# Altium PCB Mixed Signal Board Project.PcbDoc (part 3 of 3)
Units mm, origin at the board's own origin, x right, y up, seen from the top; angles counter-clockwise.
Board outline 80.01 x 80.01 mm, 4 copper layers (Top Layer1, Layer 1, Layer 2, Bottom Layer), stack 1.371 mm thick; 190 components, 145 nets, 742 pads, 573 vias.
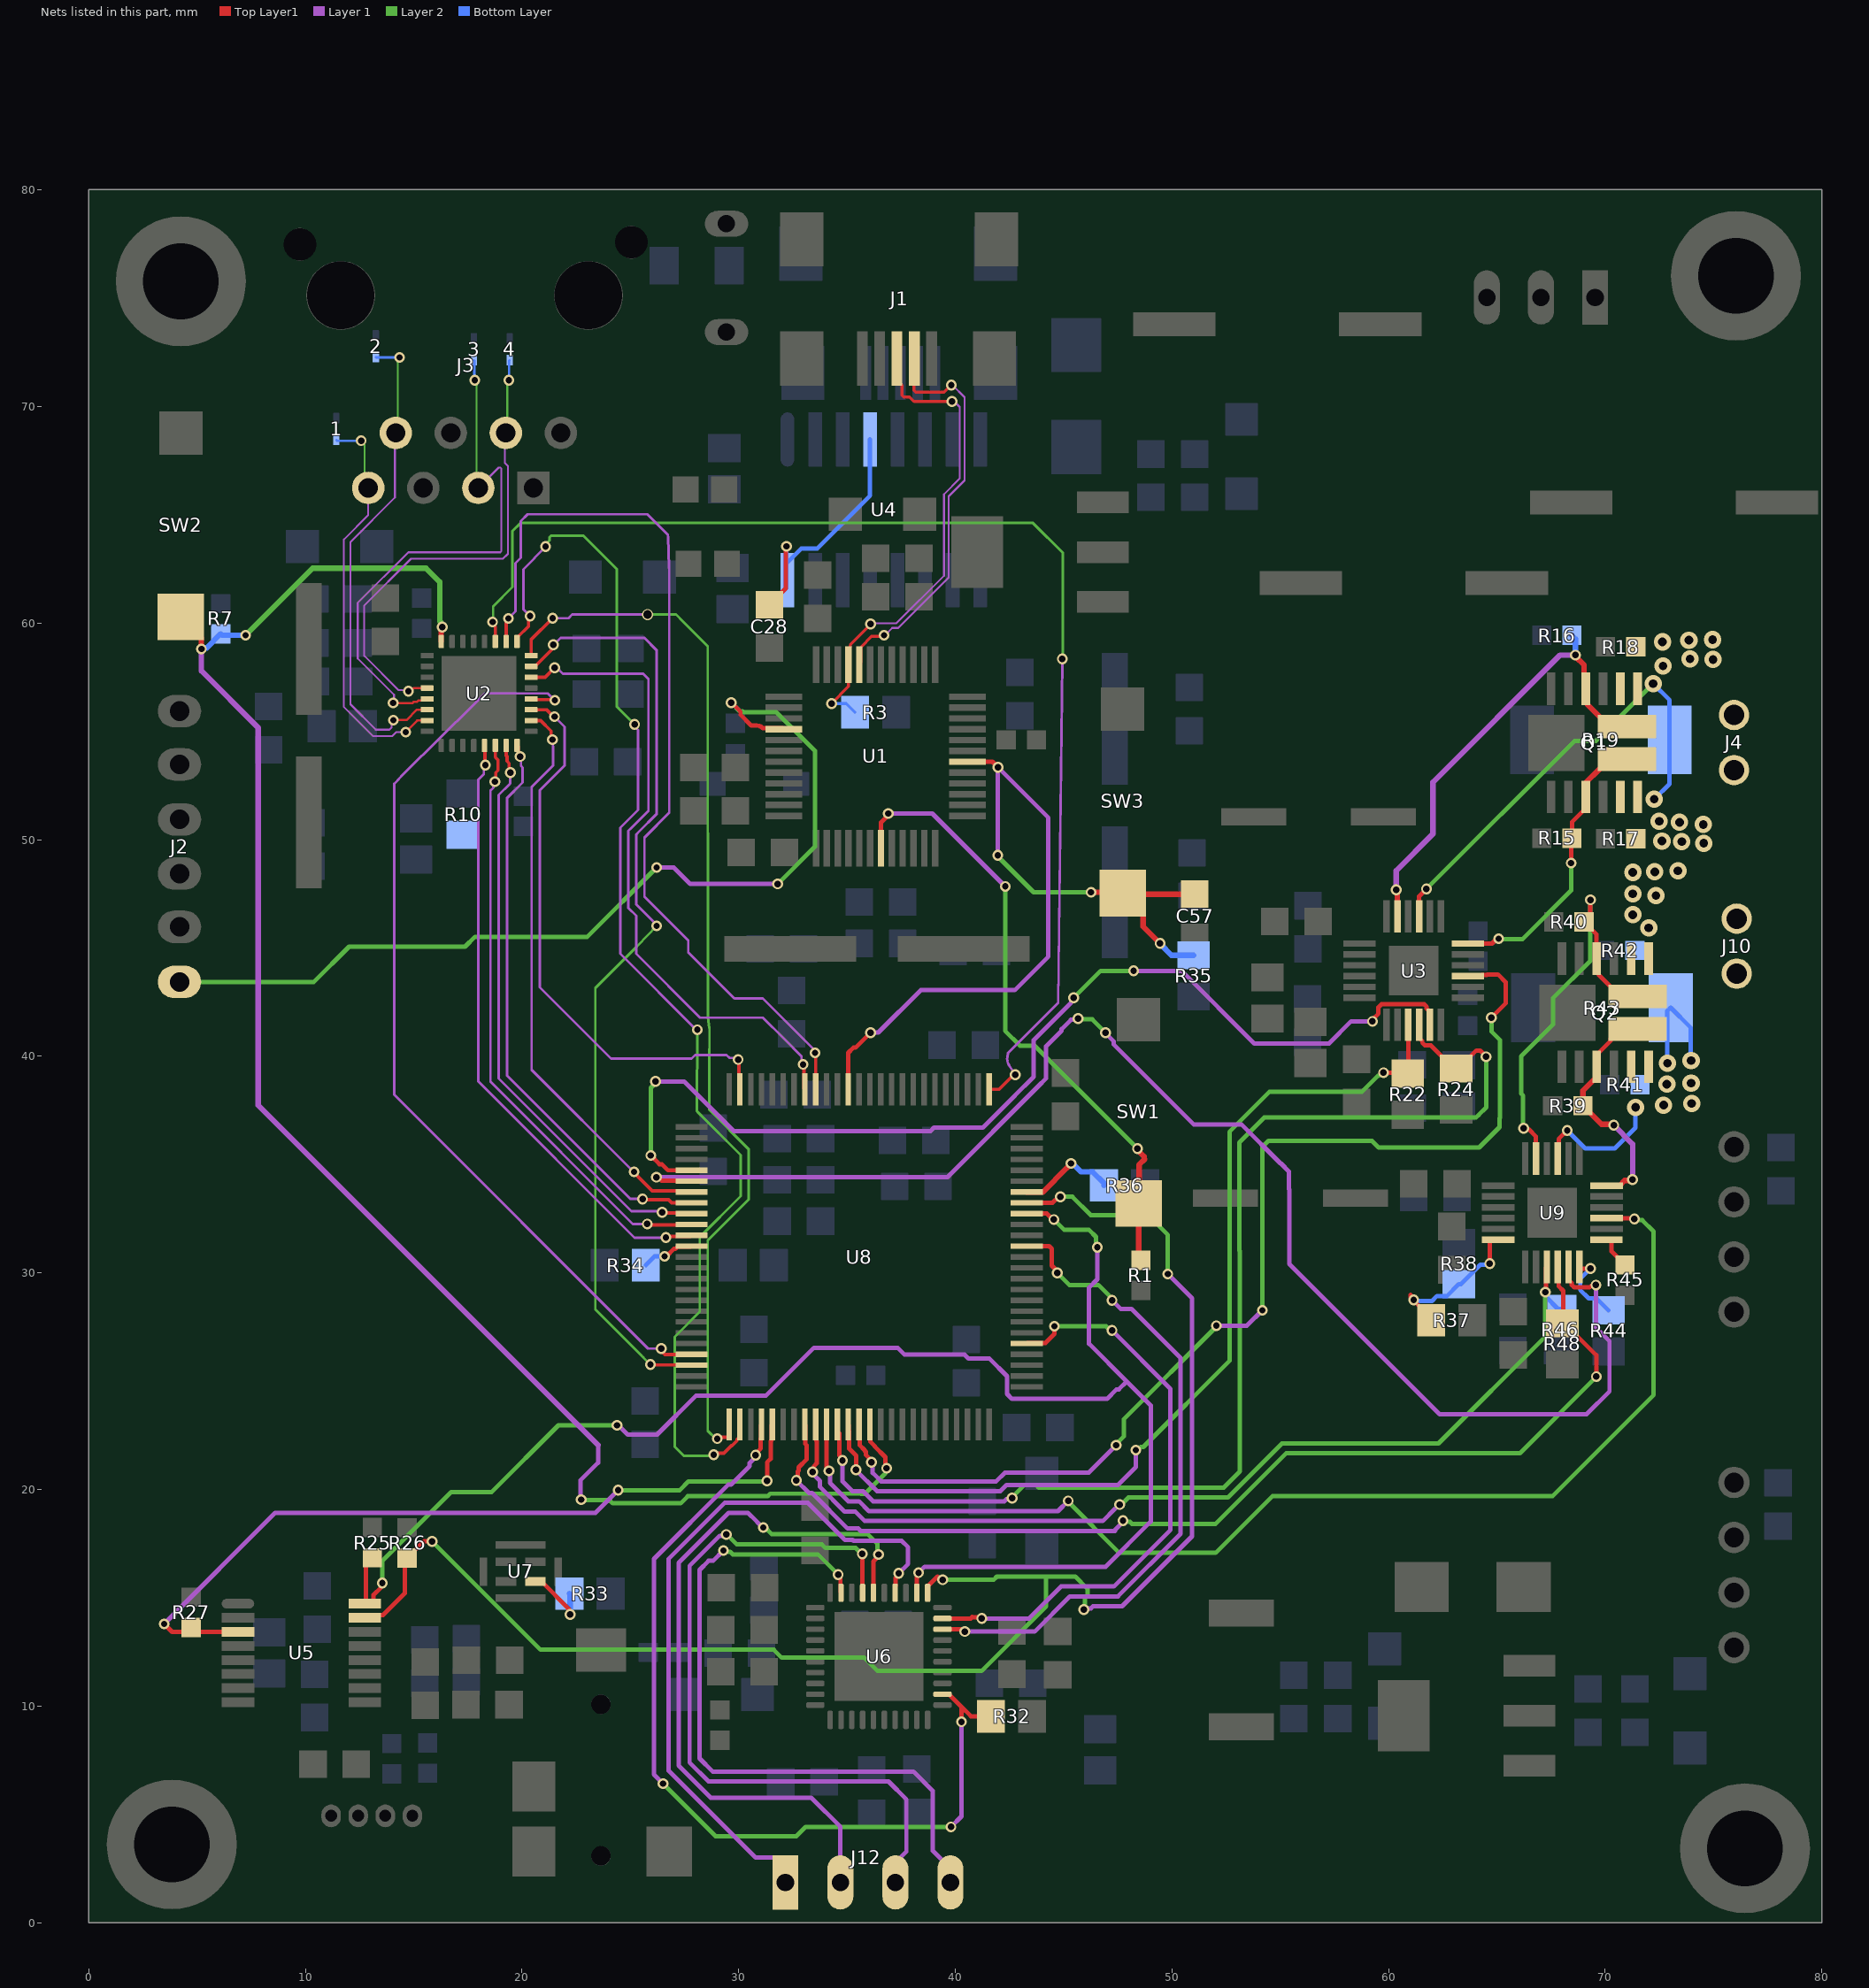
[diagram p5: the nets of this part, all layers, seen from the top]

## Via types
v1: diameter 0.5, hole 0.3, Top Layer1 to Bottom Layer, tented both sides, 434 vias
v2: diameter 0.8, hole 0.4, Top Layer1 to Bottom Layer, tented both sides, 124 vias
v3: diameter 0.5, hole 0.4, Top Layer1 to Bottom Layer, tented both sides, 5 vias
v4: diameter 0.8, hole 0.5, Top Layer1 to Bottom Layer, tented both sides, 5 vias
v5: diameter 0.4, hole 0.3, Top Layer1 to Bottom Layer, tented both sides, 3 vias
v6: diameter 0.5/0.5/0.5/0.5 (per signal layer), hole 0.3, Top Layer1 to Bottom Layer, tented both sides, 2 vias

## Nets (pads, with @x,y where several pads share a name; then routed paths per layer and width w, separated by ;. In a path a pad name is that pad's centre, name@x,y a point inside that pad or via, vN(x,y) a via of type N, cw(c..) or ccw(c..) an arc to the next point about the centre after c; other vN are vias at no path point) (continued)
NetR33_1: R33.1 U7.2 | length 3.4
  Top Layer1 w0.203: U7.2@20.614,15.755 20.889,15.755 22.168,14.476 22.168,14.281 v1(22.225,14.224)
  Bottom Layer w0.203: v1@22.145,14.224 v1(22.225,14.224)
  Bottom Layer w0.254: R33.1@22.189,15.189 22.225,15.154 v1(22.225,14.224)
NetR34_2: R34.2 U8.37 | length 2.5
  Top Layer1 w0.203: v1(26.58,30.759) 26.661,30.759 27.005,31.104 27.081,31.104 27.186,31.209 27.797,31.209 U8.37@27.822,31.234
  Bottom Layer w0.203: R34.2@25.715,30.353 26.121,30.759 v1(26.58,30.759)
NetR36_1: R36.1 U8.94 | length 4.3
  Top Layer1 w0.254: U8.94@43.298,33.734 44.046,33.734 45.161,34.849
  Bottom Layer w0.254: v1(45.343,35.052) 45.41,35.052 45.803,34.659 46.34,34.659 46.863,34.136 R36.1@46.863,34.036
NetR37_2: R37.2 R38.1 U9.6 | length 7.3
  Top Layer1 w0.203: 61.011,28.981 61.011,28.868 61.966,27.913 R37.2@61.966,27.813 ; v1(64.668,30.429) 64.668,31.477 64.717,31.525 U9.6@65.057,31.525
  Bottom Layer w0.203: v1(61.163,28.753) 61.214,28.702 62.006,28.702 62.234,28.931 62.698,28.931 R38.1@63.246,29.479 63.346,29.479 64.239,30.372 64.612,30.372 v1(64.668,30.429)
NetR44_2: R44.2 U9.12 | length 3.4
  Top Layer1 w0.203: U9.12@68.855,30.227 68.855,30.198 v1(69.323,30.198)
  Bottom Layer w0.203: v1(69.323,30.198) 68.85,29.725 68.85,29.205 69.205,28.85 69.213,28.85 69.249,28.814 69.606,28.814 R44.2@70.155,28.265
NetR45_2: R45.2 U9.13 | length 1.4
  Top Layer1 w0.203: U9.13@70.287,31.477 70.287,30.996 R45.2@70.917,30.366
nFAULT: R22.1 U3.9 U8.62 | length 45.1
  Top Layer1 w0.203: U8.62@35.06,22.996 35.085,22.971 35.085,22.717 35.106,22.696 35.106,21.881 35.397,21.59 35.397,21.57 35.425,21.542 35.425,20.923 v1(35.411,20.909) ; v1(59.766,39.243) 60.896,39.243 60.91,39.229 U3.9@60.91,41.453
  Layer 1 w0.203: v1(35.411,20.909) 35.411,20.892 36.39,19.914 42.076,19.914 42.373,20.21 47.515,20.21 48.057,20.752 48.336,21.031 v1(48.336,21.815)
  Layer 2 w0.203: v1(48.336,21.815) 48.417,21.815 48.562,21.96 48.681,21.96 52.654,25.933 52.654,36.511 54.497,38.354 58.764,38.354 59.501,39.091 59.533,39.091 59.686,39.243 v1(59.766,39.243)
nFAULT_2: R46.1 U8.59 U9.9 | length 44
  Top Layer1 w0.203: 33.476,21.076 33.604,21.204 33.604,22.221 33.585,22.24 33.585,22.364 U8.59@33.56,22.39 ; v1(67.235,29.105) 67.271,29.141 67.271,30.239 U9.9@67.307,30.275
  Layer 1 w0.203: v1(33.419,20.809) 33.419,20.729 33.758,20.39 33.758,20.113 34.897,18.974 35.39,18.974 35.822,18.542 46.812,18.542 47.39,19.12
  Layer 2 w0.203: v1(47.584,19.3) 47.664,19.3 47.99,19.626 52.582,19.626 55.079,22.123 62.306,22.123 67.235,27.052 v1(67.235,29.105)
  Bottom Layer w0.203: v1(67.235,29.105) 67.271,29.068 67.271,28.88 67.82,28.331 R46.1@67.92,28.331
"NJTRST F103": J2.1 U1.40 | length 44.8
  Top Layer1 w0.203: v1(29.654,56.32) 29.675,56.32 30.085,55.91 30.085,55.767 30.582,55.27 30.834,55.27 30.843,55.261 30.952,55.261 30.981,55.232 31.019,55.232 31.11,55.141 32.041,55.141 U1.40@32.084,55.098
  Layer 1 w0.203: v1(26.217,48.717) 27.007,48.717 27.769,47.955 v1(31.801,47.955)
  Layer 2 w0.203: J2.1@4.191,43.434 10.394,43.434 12.02,45.06 17.374,45.06 17.831,45.517 23.016,45.517 v1(26.217,48.717) ; v1(29.654,56.32) 30.052,55.922 30.184,55.922 30.226,55.88 31.75,55.88 33.528,54.102 33.528,49.682 v1(31.801,47.955)
NRST: R1.1 SW1.2 U1.7 | length 28.4
  Top Layer1 w0.203: U1.7@36.572,49.61 36.572,50.792 36.906,51.126 v1(36.906,51.206)
  Top Layer1 w0.254: v1(48.412,35.738) 48.412,35.671 48.717,35.366 ; SW1.2@48.463,33.198 48.463,30.683 R1.1@48.565,30.582 ; SW1.2@48.489,33.63 48.489,34.993 48.743,35.247
  Layer 1 w0.203: v1(36.906,51.206) 38.938,51.206 v1@42.291,47.854
  Layer 2 w0.203: v1(42.311,47.841) 42.303,47.833 42.303,41.168 42.99,40.482 43.669,40.482 v1(48.412,35.738)
NTRST_F407: C57.2 R35.1 SW3.2 U1.18 U8.14 | length 42.7
  Top Layer1 w0.203: U8.14@35.06,38.472 35.06,40.159 35.295,40.395 35.389,40.395 v1(36.085,41.091) ; U1.18@40.56,53.598 40.564,53.594 41.715,53.594 v1(41.969,53.34)
  Top Layer1 w0.254: v1(46.267,47.569) 47.68,47.569 47.685,47.574 SW3.2@47.777,47.482 ; v1(49.454,45.212) 48.675,45.991 48.675,46.584 SW3.2@47.777,47.482 ; C57.2@51.054,47.482 SW3.2@47.777,47.482
  Layer 1 w0.203: v1(36.085,41.091) 36.091,41.097 36.449,41.097 38.405,43.053 42.748,43.053 44.298,44.602 44.298,51.011 v1(41.969,53.34) 41.961,53.332 v1(41.961,49.276)
  Layer 2 w0.203: v1(41.961,49.276) 41.961,49.225 43.617,47.569 v1(46.267,47.569) ; v1@41.969,53.26 v1(41.969,53.34)
  Bottom Layer w0.254: v1@49.479,45.161 49.977,44.663 R35.1@51.003,44.663
OUTA+: J12.1 U6.4 | length 33
  Top Layer1 w0.203: U6.4@37.224,15.229 37.224,15.524 37.248,15.547 37.248,15.908 37.389,16.049 v1(37.389,16.129)
  Layer 1 w0.203: J12.1@32.156,1.854 32.156,2.504 31.658,3.003 30.779,3.003 26.772,7.01 26.772,16.799 29.353,19.38 33.198,19.38 34.905,17.673 35.261,17.673 35.306,17.628 37.524,17.628 37.821,17.331 37.821,16.561 v1(37.389,16.129)
OUTA-: J12.2 U6.6 | length 33.7
  Top Layer1 w0.203: U6.6@36.224,15.229 36.224,16.677 36.461,16.914 v1(36.461,16.994)
  Layer 1 w0.203: v1(31.138,18.24) 31.107,18.24 30.57,18.777 30.568,18.777 30.422,18.923 29.542,18.923 27.229,16.609 27.229,7.252 28.715,5.766 33.35,5.766 34.696,4.42 J12.2@34.696,1.854
  Layer 2 w0.203: v1(31.138,18.24) 31.218,18.24 31.518,17.94 35.951,17.94 36.413,17.479 36.413,17.043 v1(36.461,16.994)
OUTB+: J12.3 U6.7 | length 34.6
  Top Layer1 w0.203: v1(35.708,17.022) 35.72,17.01 35.72,15.233 U6.7@35.724,15.229
  Layer 1 w0.203: v1(29.431,17.919) 29.374,17.863 29.129,17.863 27.737,16.471 27.737,7.39 28.61,6.517 36.917,6.517 37.744,5.69 37.744,3.276 37.236,2.768 J12.3@37.236,1.854
  Layer 2 w0.203: v1(29.431,17.919) 29.458,17.919 29.92,17.458 33.846,17.458 34.006,17.297 35.406,17.297 35.681,17.022 v1(35.708,17.022)
OUTB-: J12.4 U6.9 | length 32.8
  Top Layer1 w0.203: v1(34.593,16.064) 34.593,15.983 34.701,15.876 34.701,15.252 U6.9@34.724,15.229
  Layer 1 w0.203: v1(29.299,17.177) 28.823,16.701 28.613,16.701 28.194,16.281 28.194,7.58 28.799,6.974 38.068,6.974 38.961,6.081 38.961,3.319 39.776,2.504 J12.4@39.776,1.854
  Layer 2 w0.203: v1(29.299,17.177) 29.356,17.12 29.611,17.12 29.731,17.001 33.656,17.001 v1(34.593,16.064)
PH_MOT_2: U8.60 U9.15 | length 55.5
  Top Layer1 w0.203: U8.60@34.06,22.996 34.061,22.995 34.061,21.048 34.171,20.937 v1(34.171,20.857) ; U9.15@70.061,32.525 71.31,32.525 v1(71.349,32.487)
  Layer 1 w0.203: v1(34.171,20.857) 34.215,20.813 34.215,20.302 35.061,19.456 35.554,19.456 36.011,18.999 44.743,18.999 v1(45.214,19.471)
  Layer 2 w0.203: v1(45.214,19.471) 45.214,19.427 47.572,17.069 52.019,17.069 54.635,19.685 67.564,19.685 72.238,24.359 72.238,31.902 71.71,32.43 71.405,32.43 v1(71.349,32.487)
PH_MOT_DRI_1: U3.15 U8.63 | length 52.6
  Top Layer1 w0.203: U8.63@35.56,22.996 35.585,22.971 35.585,22.048 35.817,21.816 35.817,21.796 35.882,21.731 35.882,21.585 36.13,21.337 v1(36.13,21.257) ; U3.15@63.664,43.703 64.264,43.703 64.312,43.751 64.521,43.751 64.548,43.779 65.05,43.779 65.405,43.424 65.405,42.439 v1(64.749,41.783)
  Layer 1 w0.203: v1(36.13,21.257) 36.187,21.2 36.187,20.763 36.579,20.371 41.887,20.371 42.293,20.777 46.163,20.777 v1(47.425,22.039) ; v1(52.049,27.559) 53.463,27.559 v1(54.174,28.27)
  Layer 2 w0.203: v1(47.425,22.039) 47.425,22.092 47.791,22.458 47.791,23.254 52.049,27.512 v1(52.049,27.559) ; v1(54.174,28.27) 54.174,35.81 54.458,36.093 59.233,36.093 59.538,35.789 64.186,35.789 65.126,36.728 65.126,37.137 65.151,37.163 65.151,40.742 64.749,41.144 v1(64.749,41.783)
PHY_RST: R7.1 SW2.2 U2.32 U8.64 | length 82
  Top Layer1 w0.203: U8.64@36.06,22.996 36.085,22.971 36.085,22.194 36.274,22.005 36.274,21.986 36.773,21.487 36.773,21.033 v1(36.83,20.976)
  Top Layer1 w0.254: SW2.2@4.254,60.279 5.202,59.331 v1(5.202,58.806) ; U2.32@16.271,59.149 16.273,59.151 16.273,59.77 v1(16.317,59.813)
  Layer 1 w0.203: v1(22.736,19.529) 22.71,19.554 22.71,20.431 23.512,21.233 23.512,22.047
  Layer 1 w0.254: v1(5.202,58.806) 5.202,57.79 7.823,55.169 7.823,37.736 23.512,22.047
  Layer 2 w0.203: v1(22.736,19.529) 22.753,19.511 24.032,19.511 24.184,19.359 27.323,19.359 27.649,19.685 31.339,19.685 31.459,19.804 35.644,19.804 35.654,19.795 35.822,19.795 36.773,20.746 36.773,20.92 v1(36.83,20.976)
  Layer 2 w0.254: v1(7.239,59.436) 10.338,62.535 15.57,62.535 16.205,61.9 16.205,60.085 16.269,60.021 16.269,59.86 v1(16.317,59.813)
  Bottom Layer w0.254: v1(5.202,58.806) 5.249,58.853 5.45,58.853 R7.1@6.096,59.5 6.16,59.436 v1(7.239,59.436)
RD_N: 4.K J3.6 U2.4 | length 22.7
  Top Layer1 w0.104: v1(14.757,56.856) 14.833,56.932 14.94,56.932 15.007,56.999 U2.4@15.621,56.999
  Layer 1 w0.089: v1(14.757,56.856) 14.715,56.898 14.307,56.898 12.719,58.486 12.719,60.811 14.88,62.971 19.123,62.971 19.35,63.198 19.35,67.252 19.21,67.392 19.21,68.735 J3.6@19.254,68.779
  Layer 2 w0.089: J3.6@19.254,68.779 19.323,68.848 19.323,71.139 v1(19.392,71.208)
  Bottom Layer w0.104: v1(19.392,71.208) 19.411,71.227 19.411,72.119 4.K@19.431,72.139
RD_P: 3.K J3.5 U2.5 | length 25.9
  Top Layer1 w0.104: v1(14.051,56.313) 14.064,56.3 14.945,56.3 15.001,56.357 15.151,56.357 15.22,56.426 15.548,56.426 U2.5@15.621,56.499
  Layer 1 w0.089: v1(14.051,56.313) 14.096,56.358 14.096,56.687 12.421,58.363 12.421,60.935 14.756,63.27 18.999,63.27 19.051,63.322 19.051,67.129 18.999,67.181 18.926,67.181 J3.5@17.984,66.239
  Layer 2 w0.089: v1(17.819,71.208) 17.898,71.129 17.898,66.325 J3.5@17.984,66.239
  Bottom Layer w0.104: 3.K@17.78,72.139 17.8,72.119 17.8,71.227 v1(17.819,71.208)
RESET_ADC: R27.1 U5.3 U8.55 | length 36.8
  Top Layer1 w0.203: v1(3.48,13.792) 3.848,13.424 U5.3@6.89,13.424 ; v1(31.314,20.392) 31.314,21.249 31.479,21.414 31.479,22.221 31.535,22.277 31.535,22.971 U8.55@31.56,22.996
  Layer 1 w0.203: v1(3.48,13.792) 8.611,18.923 23.393,18.923 v1(24.435,19.964)
  Layer 2 w0.203: v1(24.435,19.964) 27.282,19.964 27.688,20.371 31.292,20.371 v1(31.314,20.392)
RESET_DAC: R32.1 U6.32 U8.54 | length 41.8
  Top Layer1 w0.203: v1(30.786,21.578) 30.786,21.658 31.021,21.893 31.021,22.347 31.035,22.36 31.035,22.971 U8.54@31.06,22.996 ; U6.32@39.409,10.544 39.704,10.544 40.284,9.964 ; v1(40.284,9.271) 40.284,9.964 ; R32.1@41.646,9.525 40.723,9.525 40.284,9.964
  Layer 1 w0.203: v1(26.508,6.417) 26.089,6.836 26.089,16.793 29.515,20.218 29.647,20.218 30.387,20.958 30.512,21.083 30.512,21.223 30.786,21.498 v1(30.786,21.578) ; v1(39.802,4.42) 40.284,4.902 v1(40.284,9.271)
  Layer 2 w0.203: v1(26.508,6.417) 28.938,3.988 32.664,3.988 33.096,4.42 v1(39.802,4.42)
RX_CLK: U2.19 U8.24 | length 26.5
  Top Layer1 w0.156: U2.19@20.421,55.999 21.129,55.999 21.448,55.68 v1(21.5,55.68) ; v1(29.978,39.847) 30.019,39.806 30.019,38.513 U8.24@30.06,38.472
  Layer 1 w0.117: v1(21.5,55.68) 21.971,55.209 21.971,55.118 21.971,55.112 ccw(c22.946,55.01) 21.967,55.049 21.967,55.048 21.971,53.639 21.971,53.57 21.971,53.522 21.971,53.424 21.937,53.39 20.828,52.281 20.828,43.18 24.113,39.895 27.832,39.895 27.996,40.06 29.443,40.06 29.582,39.92 29.905,39.92 v1(29.978,39.847)
RX_D0: U2.16 U8.33 | length 26.6
  Top Layer1 w0.156: U2.16@19.771,54.349 19.818,54.302 19.818,54.029 19.917,53.929 v1(19.917,53.836) ; v1(25.565,33.403) 25.596,33.372 26.764,33.372 26.903,33.234 U8.33@27.822,33.234
  Layer 1 w0.117: v1(19.917,53.836) 19.954,53.8 19.954,53.41 20.032,53.333 20.032,52.642 19.304,51.914 19.304,39.116 24.999,33.421 25.547,33.421 v1(25.565,33.403)
RX_D1: U2.15 U8.34 | length 27.2
  Top Layer1 w0.156: U2.15@19.271,54.349 19.271,53.888 19.306,53.853 19.306,53.624 19.403,53.527 19.403,53.165 v1(19.469,53.1) ; v1(26.473,32.79) 26.501,32.762 27.794,32.762 U8.34@27.822,32.734
  Layer 1 w0.117: v1(19.469,53.1) 19.452,53.083 19.452,52.588 18.923,52.058 18.923,38.972 25.055,32.84 26.423,32.84 v1(26.473,32.79)
RX_D2: U2.14 U8.35 | length 27.8
  Top Layer1 w0.156: v1(18.749,52.68) 18.79,52.721 18.79,53.095 18.896,53.2 18.896,53.683 18.771,53.807 U2.14@18.771,54.349 ; v1(25.781,32.258) 25.831,32.208 27.796,32.208 U8.35@27.822,32.234
  Layer 1 w0.117: v1(18.749,52.68) 18.676,52.607 18.676,52.397 18.543,52.264 18.543,38.826 25.111,32.258 v1(25.781,32.258)
RX_D3: U2.13 U8.36 | length 28.5
  Top Layer1 w0.156: U2.13@18.271,54.349 18.292,54.328 18.292,53.463 v1(18.313,53.442) ; v1(26.646,31.626) 26.705,31.685 27.773,31.685 U8.36@27.822,31.734
  Layer 1 w0.117: v1(18.313,53.442) 18.24,53.368 18.24,53.03 17.981,52.77 17.981,38.839 25.197,31.623 26.643,31.623 v1(26.646,31.626)
RX_DV: U2.18 U8.32 | length 26.9
  Top Layer1 w0.156: U2.18@20.421,55.499 20.427,55.493 20.864,55.493 21.343,55.014 21.343,54.679 v1(21.405,54.617) ; v1(25.171,34.66) 25.171,34.62 26.009,33.783 27.773,33.783 U8.32@27.822,33.734
  Layer 1 w0.117: v1(21.405,54.617) 21.429,54.229 21.429,53.407 20.447,52.426 20.447,39.37 25.157,34.66 v1(25.171,34.66)
RX_ER: U2.20 U8.47 | length 43.4
  Top Layer1 w0.156: U2.20@20.421,56.499 20.454,56.466 21.485,56.466 v1(21.517,56.433) ; v1@26.416,26.416 26.598,26.234 U8.47@27.822,26.234
  Layer 1 w0.117: v1(21.517,56.433) 21.507,56.433 21.189,56.752 18.289,56.752 18.22,56.683 17.758,56.221 14.613,53.116 14.611,53.114 14.61,53.113 14.564,53.064 14.542,53.04 14.537,53.035 14.533,53.03 14.501,52.996 14.165,52.636 14.163,52.635 14.097,52.564 14.097,38.227 25.819,26.505 v1(26.425,26.505)
SCL: R25.1 U5.16 U6.2 U8.92 | length 75.9
  Top Layer1 w0.203: R25.1@13.096,16.844 12.791,16.539 12.791,14.775 U5.16@12.74,14.724 13.027,14.724 13.151,14.847 13.151,15.135 v1@13.496,15.48 ; U6.2@38.224,15.229 38.224,16.076 v1(38.303,16.154) ; U8.92@43.298,32.734 44.228,32.734 v1@44.374,32.588
  Layer 1 w0.203: v1@13.513,15.672 13.553,15.632 v1(13.553,15.675) ; v1(24.384,22.962) 24.449,22.962 24.88,22.53 26.238,22.53 28.042,24.333 31.267,24.333 33.477,26.543 37.338,26.543 37.661,26.22 40.43,26.22 40.615,26.035 41.58,26.035 42.389,25.226 42.389,24.409 42.617,24.181 47.004,24.181 47.441,24.618 47.554,24.618 47.917,24.981 ; v1(38.303,16.154) 38.583,16.434 46.942,16.434 49.022,18.513 49.022,23.876 47.917,24.981 ; v1(44.552,32.461) v1@44.632,32.461 ; v1(46.554,31.181) 46.554,29.7 46.173,29.319 46.173,26.725 47.917,24.981
  Layer 2 w0.203: v1(13.553,15.675) 13.553,16.702 16.736,19.885 18.605,19.885 21.681,22.962 v1(24.384,22.962) ; v1(44.552,32.461) 45.034,31.979 46.177,31.979 46.497,31.658 46.497,31.238 v1(46.554,31.181)
SCLK: U6.38 U8.89 | length 30.8
  Top Layer1 w0.203: U6.38@39.409,13.544 40.251,13.544 40.356,13.438 v1(40.437,13.438) ; U8.89@43.298,31.234 44.331,31.234 44.45,31.115 44.45,30.332 44.704,30.078 v1(44.704,29.997)
  Layer 1 w0.203: v1(40.437,13.438) 43.664,13.438 45.288,15.062 47.51,15.062 50.394,17.945 50.394,18.685 50.394,26.074 48.128,28.339 47.632,28.339 47.244,28.727 v1(47.236,28.727)
  Layer 2 w0.203: v1(44.704,29.997) 45.26,29.442 46.602,29.442 47.236,28.808 v1(47.236,28.727)
SDA: R26.1 U5.15 U6.1 U8.93 | length 76.3
  Top Layer1 w0.203: U5.15@12.74,14.074 12.863,14.197 13.588,14.197 14.594,15.204 14.594,16.729 R26.1@14.696,16.831 15.467,17.602 v1(15.85,17.602) ; U6.1@38.724,15.229 38.724,15.524 39.177,15.977 39.192,15.977 39.34,15.828 v1(39.421,15.828) ; U8.93@43.298,33.234 44.489,33.234 44.767,33.512 v1(44.848,33.512)
  Layer 1 w0.203: v1(45.933,14.457) 45.99,14.513 46.267,14.513 46.358,14.605 47.7,14.605 50.931,17.836 50.931,28.825 v1(49.809,29.947)
  Layer 2 w0.203: v1(15.85,17.602) 20.853,12.598 31.623,12.598 31.991,12.231 35.803,12.231 36.412,11.621 41.212,11.621 44.196,14.605 44.196,15.977 ; v1(39.421,15.828) 41.774,15.828 41.923,15.977 44.196,15.977 ; v1(44.848,33.512) 45.405,33.512 46.249,32.668 48.891,32.668 49.809,31.75 v1(49.809,29.947) ; v1(45.933,14.457) 45.99,14.513 45.99,15.002 46.101,15.113 46.101,15.416 45.541,15.977 44.196,15.977
SDIN: U6.39 U8.80 | length 27.2
  Top Layer1 w0.203: U6.39@39.409,14.044 40.713,14.044 40.782,14.112 40.794,14.1 41.165,14.1 v1(41.222,14.044) ; U8.80@43.298,26.734 43.323,26.759 44.158,26.759 44.577,27.178 v1(44.577,27.534)
  Layer 1 w0.203: v1(41.222,14.044) 43.406,14.044 44.882,15.519 47.321,15.519 49.936,18.135 49.936,18.874 49.936,24.637 v1(47.236,27.338)
  Layer 2 w0.203: v1(44.577,27.534) 46.96,27.534 47.155,27.338 v1(47.236,27.338)
SH1: J4.1 Q1.3 Q1.13 R15.1 U3.18 | length 13.3
  Top Layer1 w0.203: U3.18@63.664,45.203 64.777,45.203 65.003,45.429 v1(65.083,45.429) ; v1(68.428,48.92) 68.428,50.025 R15.1@68.466,50.063 68.466,50.813 68.973,51.32 69.002,51.32 69.101,51.418 Q1.3@69.101,51.968
  Top Layer1 w0.254: Q1.3@69.101,52.618 69.752,53.27 70.201,53.718 Q1.13@71.001,53.718
  Top Layer1 w0.381: Q1.3@69.101,51.968 Q1.3@69.101,52.518
  Layer 2 w0.203: v1(65.083,45.429) 65.098,45.415 66.192,45.415 68.428,47.65 v1(68.428,48.92)
SH1_2: J10.1 Q2.3 Q2.13 R39.1 U9.18 | length 11.1
  Top Layer1 w0.203: Q2.3@69.602,39.512 69.602,40.062 70.254,40.713 70.254,40.813 70.702,41.262 Q2.13@71.502,41.262
  Top Layer1 w0.254: Q2.3@69.602,39.512 69.602,38.962 69.529,38.889 69.45,38.889 68.974,38.412 R39.1@68.974,37.719 69.832,36.86 70.348,36.86 v1(70.395,36.813) ; U9.18@70.061,34.025 70.661,34.025 70.896,34.26 71.217,34.26 v1(71.265,34.308)
  Layer 1 w0.254: v1(70.395,36.813) 71.265,35.944 v1(71.265,34.308)
SH2: J4.2 Q1.10 Q1.14 R16.1 U3.23 | length 21.7
  Top Layer1 w0.254: v1(60.353,47.68) 60.4,47.633 60.4,47.065 60.41,47.055 U3.23@60.41,46.453 ; v1(68.629,58.523) 68.629,58.457 69.028,58.058 69.028,57.041 69.174,56.895 69.174,56.245 69.778,55.641 70.201,55.218 Q1.14@71.001,55.218
  Layer 1 w0.254: v1(60.353,47.68) 60.353,48.567 62.052,50.267 62.052,52.654 67.921,58.523 v1(68.629,58.523)
  Bottom Layer w0.254: R16.1@68.466,59.436 68.629,59.273 v1(68.629,58.523)
SH2_2: J10.2 Q2.10 Q2.14 R40.1 U9.23 | length 19.7
  Top Layer1 w0.203: v1(66.239,36.676) 66.295,36.621 66.478,36.621 66.807,36.292 U9.23@66.807,35.275 ; v1(69.317,47.219) 69.317,46.495 R40.1@69.024,46.203 69.602,45.625 Q2.10@69.602,44.512 69.701,44.413 69.701,43.763 70.702,42.762 Q2.14@71.502,42.762
  Layer 2 w0.203: v1(66.239,36.676) 66.214,36.702 66.214,38.183 66.116,38.281 66.116,39.993 67.589,41.467 67.589,42.68 69.317,44.407 v1(69.317,47.219)
SNSOUT: R24.1 U3.10 U8.61 | length 56.6
  Top Layer1 w0.203: U8.61@34.56,22.996 34.56,22.683 34.643,22.6 34.643,21.567 34.791,21.419 v1(34.791,21.339) ; U3.10@61.41,41.453 61.41,40.853 61.558,40.705 61.558,40.619 61.676,40.501 61.949,40.501 63.019,39.431 63.219,39.431 64.055,40.267 64.223,40.267 64.5,39.99 v1(64.5,39.977)
  Layer 1 w0.203: v1(34.791,21.339) 34.791,20.373 35.251,19.914 35.743,19.914 36.2,19.456 42.265,19.456 42.357,19.548 42.567,19.548 v1(42.624,19.605)
  Layer 2 w0.203: v1(42.624,19.605) 42.624,19.637 43.197,20.21 43.736,20.21 43.863,20.083 52.392,20.083 53.137,20.828 53.137,30.998 53.111,31.024 53.111,36.017 54.26,37.166 64.034,37.166 64.153,37.285 64.516,37.648 64.516,39.961 v1(64.5,39.977)
SNSOUT_2: R48.1 U8.58 U9.10 | length 49.8
  Top Layer1 w0.203: v1(32.664,20.422) 32.721,20.478 32.721,20.827 32.771,20.877 32.771,21.018 33.147,21.394 33.147,22.032 33.085,22.094 33.085,22.971 U8.58@33.06,22.996 ; U9.10@67.807,30.275 67.85,30.232 67.85,29.381 68.063,29.168 68.063,27.713 R48.1@68.021,27.671 68.121,27.671 69.592,26.2 v1(69.592,25.211)
  Layer 1 w0.203: v1(32.664,20.422) 33.249,19.837 33.387,19.837 35.032,18.192 35.525,18.192 35.632,18.085 47.382,18.085 47.382,18.14 47.743,18.501 v1(47.743,18.563)
  Layer 2 w0.203: v1(47.743,18.563) 47.799,18.507 48.061,18.507 48.152,18.415 52.017,18.415 55.268,21.666 66.065,21.666 69.592,25.193 v1(69.592,25.211)
SO: U3.11 U8.30 | length 49.6
  Top Layer1 w0.203: v1(25.946,35.417) 26.344,35.019 26.453,35.019 26.737,34.734 U8.30@27.822,34.734 ; v1(59.256,41.611) 59.256,41.692 59.533,41.968 59.533,42.261 59.677,42.405 61.643,42.405 61.762,42.287 61.762,42.201 61.91,42.053 U3.11@61.91,41.453
  Layer 1 w0.203: v1(26.162,38.837) 27.483,38.837 29.769,36.551 38.862,36.551 39.014,36.703 41.275,36.703 42.728,38.156 42.728,38.16 43.623,39.054 43.623,40.751 45.353,42.481 45.353,42.504 45.466,42.617 v1(45.466,42.697) ; v1(48.235,43.942) 50.449,43.942 53.802,40.589 57.252,40.589 58.274,41.611 v1(59.256,41.611)
  Layer 2 w0.203: v1(25.946,35.417) 25.946,38.54 26.162,38.756 v1(26.162,38.837) ; v1(45.466,42.697) 46.711,43.942 v1(48.235,43.942)
SO_2: U8.31 U9.11 | length 66.5
  Top Layer1 w0.203: v1(26.202,34.413) 26.282,34.413 26.436,34.259 27.071,34.259 ; U9.11@68.307,30.275 68.307,29.675 68.455,29.527 68.455,29.442 68.573,29.324 69.278,29.324 v1@69.342,29.388
  Layer 1 w0.203: v1(26.202,34.413) 39.632,34.413 43.823,38.604 43.823,38.608 44.196,38.981 44.196,40.462 44.909,41.176 44.909,41.252 45.341,41.683 45.612,41.683 v1(45.669,41.74) ; v1(46.939,41.088) 46.939,41.063 47.319,40.683 47.319,40.54 51.003,36.855 53.206,36.855 55.013,35.048 55.031,35.048 55.404,34.675 55.404,33.87 55.419,33.855 55.419,30.408 62.357,23.47 69.139,23.47 70.198,24.528 70.198,26.846 69.571,27.473 v1(69.571,29.439)
  Layer 2 w0.203: v1(45.669,41.74) 45.708,41.702 46.326,41.702 v1(46.939,41.088)
SP: Q1.5 Q1.6 Q1.7 Q1.8 R17.1 R18.2 R19.1 U3.21 | length 21.8
  Top Layer1 w0.203: U3.21@61.41,46.453 61.41,47.389 v1(61.747,47.727) ; R17.1@71.349,49.975 R17.1@71.412,50.038
  Layer 2 w0.203: v1(61.747,47.727) 68.58,54.559 69.571,54.559 v2(72.212,57.201)
  Bottom Layer w0.203: v2(72.212,57.201) 72.974,56.439 R19.1@72.974,54.61 72.974,52.578 v2(72.263,51.867)
  other v2: 74.549,49.835 73.533,49.911 72.619,49.936 74.524,50.698 73.431,50.8 72.492,50.851 72.669,58.014 74.981,58.318 73.914,58.344 72.644,59.131 73.863,59.207 74.955,59.233
SP_2: Q2.5 Q2.6 Q2.7 Q2.8 R41.1 R42.2 R43.1 U9.21 | length 11.6
  Top Layer1 w0.203: U9.21@67.855,35.417 67.855,36.181 v1(68.25,36.576)
  Bottom Layer w0.203: v1(68.25,36.576) 69.088,35.738 70.434,35.738 71.399,36.703 v2(71.399,37.643) ; v2(72.873,39.675) 72.873,42.088 R43.1@73.025,42.24 73.939,41.326 73.939,39.827 v2(73.965,39.802)
  other v2: 72.695,37.744 73.99,37.821 72.847,38.71 73.965,38.76 72.009,45.923 71.272,46.533 72.339,47.422 71.272,47.498 71.272,48.489 72.288,48.514 73.355,48.565
TD_N: 2.K J3.2 U2.6 | length 22.6
  Top Layer1 w0.104: v1(14.06,55.513) 14.067,55.52 14.671,55.52 15.15,55.999 U2.6@15.621,55.999
  Layer 1 w0.089: v1(14.06,55.513) 13.981,55.434 13.981,55.179 13.876,55.073 13.253,55.073 12.078,56.248 12.078,63.741 14.13,65.794 14.13,68.735 J3.2@14.174,68.779
  Layer 2 w0.089: J3.2@14.174,68.779 14.272,68.877 14.272,72.184 v1(14.351,72.263)
  Bottom Layer w0.104: 2.K@13.254,72.274 13.265,72.263 v1(14.351,72.263)
TD_P: 1.K J3.1 U2.7 | length 18.8
  Top Layer1 w0.104: v1(14.631,54.965) 15.166,55.499 U2.7@15.621,55.499
  Layer 1 w0.089: J3.1@12.904,66.239 12.904,64.99 11.779,63.865 11.779,56.125 13.129,54.775 14,54.775 14.189,54.965 v1(14.631,54.965)
  Layer 2 w0.089: v1(12.575,68.42) 12.739,68.255 12.739,66.404 J3.1@12.904,66.239
  Bottom Layer w0.104: 1.K@11.43,68.456 11.463,68.423 12.586,68.423 12.584,68.42 v1(12.575,68.42)
TX_CLK: U2.22 U8.18 | length 30.2
  Top Layer1 w0.156: U2.22@20.421,57.499 21.064,57.499 v1(21.503,57.938) ; v1(32.978,39.621) 33.019,39.58 33.019,38.513 U8.18@33.06,38.472
  Layer 1 w0.117: v1(21.503,57.938) 21.607,57.938 21.887,57.658 25.595,57.658 25.836,57.417 25.836,51.329 25.029,50.522 24.911,50.404 24.911,46.844 25.273,46.482 25.273,44.729 28.219,41.783 31.115,41.783 32.051,40.847 32.905,39.993 32.905,39.694 v1(32.978,39.621)
TX_D0: U2.24 U8.51 | length 49.5
  Top Layer1 w0.156: U2.24@20.421,58.499 20.421,59.232 v1(21.412,60.223) ; v1(29.013,22.343) 29.106,22.343 29.174,22.411 29.511,22.411 29.511,22.947 U8.51@29.56,22.996
  Layer 1 w0.117: v1(21.412,60.223) 22.148,60.223 22.316,60.391 v3(25.796,60.391)
  Layer 2 w0.117: v3(25.796,60.391) 27.112,60.391 27.441,60.062 28.507,58.996 28.575,58.928 28.575,58.879 28.585,41.781 28.65,41.3 cw(c28.092,41.224) 28.655,41.222 28.647,39.5 ccw(c29.21,39.497) 28.647,39.498 28.644,37.621 28.644,37.523 30.47,35.697 30.47,33.391 28.575,31.496 28.575,22.708 28.94,22.343 v1(29.013,22.343)
TX_D1: U2.25 U8.52 | length 58.5
  Top Layer1 w0.156: U2.25@19.771,59.149 19.771,59.324 20.305,59.858 20.305,60.259 v1(20.371,60.325) v1@20.371,60.249 ; v1(28.852,21.606) 28.918,21.672 29.321,21.672 29.665,22.016 29.696,22.016 29.922,22.241 29.922,22.301 30.06,22.439 U8.52@30.06,22.996
  Layer 1 w0.117: v1(20.371,60.325) 20.066,60.63 20.066,62.484 20.574,62.992 20.574,63.014 v1(21.088,63.528) ; v1(25.197,55.321) 25.197,55.218 25.353,55.061 25.353,54.919 25.353,51.372 24.54,50.558 24.54,44.726 28.042,41.224 v1(28.092,41.224)
  Layer 2 w0.117: v1(21.088,63.528) 21.088,63.632 21.22,63.764 21.272,63.816 21.272,63.965 21.341,64.033 22.835,64.033 24.384,62.484 24.384,56.134 v1(25.197,55.321) ; v1(28.092,41.224) 28.067,37.562 28.067,37.465 28.101,37.431 30.099,35.433 30.099,33.545 28.204,31.65 28.204,28.204 27.051,27.051 27.051,21.971 27.471,21.551 28.797,21.551 v1(28.852,21.606)
TX_D2: U2.26 U8.17 | length 43.3
  Top Layer1 w0.156: U2.26@19.271,59.149 19.271,60.02 19.375,60.125 v1(19.375,60.216) ; v1(33.527,40.157) 33.56,40.124 U8.17@33.56,38.472
  Layer 1 w0.117: v1(19.375,60.216) 19.695,60.536 19.695,62.765 19.939,63.009 19.939,64.701 20.262,65.024 25.781,65.024 26.703,64.102 26.736,64.069 26.74,63.972 26.794,62.566 26.798,62.451 26.798,51.241 25.654,50.097 25.654,47.371 27.677,45.348 27.677,44.797 29.802,42.672 31.115,42.672 33.527,40.26 v1(33.527,40.157)
TX_D3: U2.27 U8.1 | length 58
  Top Layer1 w0.156: U2.27@18.771,59.149 18.771,59.824 ; U8.1@41.56,38.472 42.028,38.472 42.702,39.146 v1(42.772,39.146)
  Layer 1 w0.117: v1(42.772,39.146) 42.493,39.563 cw(c42.961,39.876) 42.404,39.959 42.432,40.146 44.751,42.465 44.939,58.228 v1(44.94,58.344)
  Layer 2 w0.117: v1(18.641,60.047) 18.67,60.076 18.67,60.33 18.669,60.331 18.669,60.771 19.558,61.66 19.558,64.245 19.931,64.618 43.586,64.618 44.958,63.246 44.958,58.362 v1(44.94,58.344)
TX_EN: U2.23 U8.48 | length 44.7
  Top Layer1 w0.156: U2.23@20.421,57.999 20.596,57.999 21.384,58.787 21.384,58.935 v1(21.45,59) ; v1(25.931,25.764) 25.946,25.749 27.807,25.749 U8.48@27.822,25.734
  Layer 1 w0.117: v1(21.45,59) 21.477,59 21.786,59.309 25.654,59.309 26.207,58.756 26.207,51.175 25.4,50.368 25.283,50.25 25.283,46.998 26.212,46.068 v1(26.212,46.017)
  Layer 2 w0.117: v1(25.931,25.764) 25.644,26.05 ; v1(26.212,46.017) 25.355,45.117 25.286,45.048 23.385,43.147 23.385,28.309 24.037,27.657 25.519,26.176 25.526,26.169 ; 25.526,26.169 cw(c25.227,25.752) 25.644,26.05 ; 25.526,26.169 cw(c25.227,25.752) 25.644,26.05
USBD_N: J1.2 U1.32 | length 19.1
  Top Layer1 w0.136: U1.32@35.572,58.086 35.654,58.168 35.654,58.905 36.134,59.385 36.659,59.385 v1(36.714,59.44) ; J1.2@38.108,72.212 38.085,72.189 38.085,70.745 38.165,70.666 39.475,70.666 39.793,70.984 v1(39.819,70.984)
  Layer 1 w0.092: v1(36.714,59.44) 36.759,59.44 37.09,59.771 37.368,59.771 39.695,62.098 39.695,65.854 40.429,66.588 40.429,70.426 39.871,70.984 v1(39.819,70.984)
USBD_P: J1.3 R3.1 U1.33 | length 22.8
  Top Layer1 w0.136: v1(34.29,56.286) 35.072,57.068 35.072,58.786 35.154,58.868 35.154,58.944 35.158,58.948 35.158,59.004 36.09,59.936 v1(36.09,59.955) ; J1.3@37.308,72.212 37.308,71.212 37.541,70.979 37.541,70.514 37.621,70.434 37.897,70.434 38.101,70.23 v1(39.847,70.23)
  Layer 1 w0.092: v1(36.09,59.955) 36.124,59.989 36.497,59.989 ; 36.497,59.99 37.277,59.99 39.476,62.189 39.476,65.945 40.21,66.679 40.21,69.977 39.956,70.23 v1(39.847,70.23)
  Bottom Layer w0.136: v1(34.29,56.286) 34.966,56.286 R3.1@35.372,55.88
VCC: C28.2 U4.4 U4.16 | length 12.3
  Top Layer1 w0.203: C28.2@31.42,60.842 32.182,61.605 v1@32.182,63.542
  Bottom Layer w0.203: U4.16@32.209,62.025 U4.16@32.209,62.757 ; v1(32.209,63.542) U4.16@32.209,62.757 ; U4.4@36.068,68.476 36.068,65.883 33.634,63.449 32.901,63.449 U4.16@32.209,62.757
VDDIO: R10.2
pads on no net: J1.1 J1.4 J3. J3.3 J3.4 J3.7 J3.8 J5.1 J5.4 J7. J7.4 J12. MH3.1 MH4.1 U1.2 U1.3 U1.4 U1.10 U1.11 U1.12 U1.13 U1.14 U1.15 U1.16 U1.17 U1.19 U1.21 U1.22 U1.28 U1.29 U1.30 U1.31 U1.41 U1.42 U1.43 U1.45 U1.46 U2.30 U2.31 U4.7 U4.8 U4.9 U4.10 U4.11 U4.12 U4.13 U4.15 U5.6 U5.7 U5.8 U5.9 U6.20 U6.21 U6.22 U6.23 U6.24 U6.25 U6.26 U6.29 U6.30 U6.36 U8.2 U8.3 U8.4 U8.5 U8.7 U8.8 U8.9 U8.15 U8.38 U8.39 U8.40 U8.41 U8.42 U8.43 U8.44 U8.46 U8.77 U8.81 U8.82 U8.83 U8.84 U8.85 U8.86 U8.87 U8.88 U8.91 U8.95 U8.96 U8.97 U8.98
copper on no net:
  other v1: 50.8,38.887
  other v5: 16.104,40.437

## Polygon pours and split planes (outlines as drawn)
no net on Bottom Layer "NONET_L04_P094" (solid, pour order 94): 23.749,59.614 23.749,57.959 23.811,57.897 23.784,57.87 22.141,57.87 22.141,59.606 22.149,59.614
no net on Bottom Layer "NONET_L04_P093" (solid, pour order 93): 22.149,59.614 23.749,59.614 23.749,52.921 23.718,52.89 23.446,53.162 22.225,53.162 22.225,58.496 22.86,59.131 22.86,59.258
no net on Bottom Layer "NONET_L04_P092" (solid, pour order 92): 22.149,59.614 23.749,59.614 23.749,52.921 23.687,52.859 22.141,52.859 22.141,59.606
no net on Bottom Layer "NONET_L04_P091" (solid, pour order 91): 22.149,59.614 23.749,59.614 23.749,52.921 23.687,52.859 22.141,52.859 22.141,59.606
no net on Bottom Layer "NONET_L04_P090" (solid, pour order 90): 22.149,59.614 23.749,59.614 23.749,52.921 23.811,52.859 22.141,52.859 22.141,59.606
no net on Bottom Layer "NONET_L04_P089" (solid, pour order 89): 71.12,48.857 71.144,48.881 73.598,48.881 73.598,38.287 74.306,37.578 74.117,37.389 71.145,37.389 71.145,39.573 72.168,40.596 72.168,43.669 71.705,44.132 71.705,45.767 70.749,46.722 70.749,48.89
NetC21_2 on Bottom Layer "NETC21_2_L04_P009" (solid, remove dead copper, pour order 9): 24.384,77.953 27.28,77.953 27.28,74.803 27.838,74.244 30.48,74.244 30.48,72.492 30.505,72.466 30.48,72.441 26.67,72.441 24.384,74.727
EARTH on Bottom Layer "Bottom Layer-EARTH" (solid, pour order 10): 0.138,71.145 0.138,79.705 28.243,79.705 28.243,79.729 28.321,79.807 80.01,79.807 80.01,72.517 79.985,72.492 73.736,72.492 69.24,76.98 69.24,75.057 67.767,73.584 66.116,73.584 66.116,78.334 30.759,78.334 30.759,75.49 28.243,75.49 28.243,78.105 11.633,78.105 4.674,71.145
SP on Bottom Layer "SP_L04_P068" (solid, pour order 68): 75.438,59.665 75.489,59.614 75.438,59.563 75.438,49.301 71.069,49.301 70.891,49.479 70.891,50.749 70.485,51.156 70.485,57.785 70.942,58.242 70.942,59.639 71.247,59.639 71.666,59.665
NetC58_1 on Bottom Layer "NETC58_1_L04_P015" (solid, pour order 15): 47.066,48.184 51.714,48.184 51.714,46.812 47.066,46.812
+1V8 on Bottom Layer "+1V8_L04_P020" (solid, pour order 20): 45.695,11.836 45.695,8.176 47.535,8.176 47.535,12.207 45.699,12.207 45.674,12.182
NetC91_2 on Bottom Layer "NETC91_2_L04_P021" (solid, pour order 21): 72.109,10.044 68.48,10.044 67.437,11.087 67.437,12.446 67.437,16.485 67.64,16.688 72.034,16.688 72.034,10.401 72.109,10.326
+1V8 on Bottom Layer "+1V8_L04_P026" (solid, pour order 26): 67.691,9.703 66.091,11.303 60.808,11.303 59.792,10.287 59.665,10.262 54.661,10.262 54.661,7.087 67.691,7.087
+3V3 on Bottom Layer "Bottom Layer-+3V3" (solid, pour order 87): 40.058,16.443 44.806,16.443 44.806,16.739 44.856,16.739 44.856,18.161 44.704,18.161 36.952,18.161 36.952,16.739 40.058,16.739
+3V3 on Bottom Layer "+3V3_L04_P070" (solid, pour order 70): 18.059,13.691 18.059,12.471 14.808,12.471 14.808,13.691
+3V3 on Bottom Layer "+3V3_L04_P083" (solid, pour order 83): 11.267,14.177 7.762,14.177 7.762,12.551 11.47,12.551 13.477,12.551 13.477,12.983 13.426,12.983 13.4,13.008 12.003,13.008 12.003,13.44
VDDIO on Bottom Layer "VDDIO_L04_P034" (solid, pour order 34): 22.087,62.935 22.141,62.88 22.141,52.859 23.811,52.859 23.811,62.935
VDDIO on Bottom Layer "VDDIO_L04_P039" (solid, pour order 39): 16.422,50.981 16.595,51.154 20.61,51.154 20.61,50.065 20.027,49.481 16.422,49.481
+12V on Bottom Layer "+12V_L04_P040" (solid, pour order 40): 44.343,71.549 44.347,77.013 47.955,77.013 47.955,71.539 44.352,71.539
SP_2 on Bottom Layer "SP_2_L04_P012" (solid, pour order 12): 70.891,37.059 70.79,37.16 70.79,49.073 74.066,49.073 74.727,48.412 74.727,37.008
no net on Bottom Layer "NONET_L04_P069" (solid, pour order 69): 71.374,59.766 71.476,59.665 71.857,59.665
+3V3 on Bottom Layer "+3V3_L04_P045" (solid, pour order 45): 36.467,36.633 36.467,33.25 37.937,33.25 37.835,33.352 37.835,36.854 37.563,36.854 36.778,37.639 36.559,37.42 36.25,37.42 36.25,36.849
GND on Bottom Layer "GND_L04_P063" (solid, pour order 63): -0.414,78.97 78.961,78.97 78.961,-0.278 -0.414,-0.278
NetC11_2 on Bottom Layer "NETC11_2_L04_P060" (solid, pour order 60): 11.736,61.847 11.736,56.268 11.909,56.095 11.909,54.395 13.409,54.395 14.068,57.189 14.904,57.39 15.166,57.661 15.046,57.913 13.523,57.865 13.406,61.616 13.174,61.847
NetC85_2 on Bottom Layer "NETC85_2_L04_P043" (solid, pour order 43): 44.272,66.537 44.272,69.482 46.764,69.442 46.824,66.537 52.055,66.537 52.356,66.838 54.08,66.838 54.08,65.114 54.033,65.067 44.272,65.067
NetC68_2 on Bottom Layer "NETC68_2_L04_P061" (solid, pour order 61): 32.106,38.938 31.445,40.081 31.362,40.208 30.963,40.208 30.836,40.081 30.836,29.503 32.513,29.503 32.511,38.953
NetC11_2 on Bottom Layer "NETC11_2_L04_P058" (solid, pour order 58): 12.435,64.392 14.159,64.392 14.159,62.668 13.338,61.847 13.174,61.847 13.174,56.33 13.409,56.095 13.409,54.395 11.909,54.395 11.736,54.568 11.736,61.815 11.704,61.847 12.435,62.578
GND on Top Layer1 "GND_L01_P044" (solid, remove dead copper, pour order 44): 80.01,79.68 0.635,79.68 0.635,0 80.01,0
NetC21_2 on Top Layer1 "NETC21_2_L01_P022" (solid, pour order 22): 9.068,78.765 25.298,78.765 26.619,77.445 26.619,74.651 30.709,74.651 30.709,72.339 26.721,72.339 22.682,76.378 9.068,76.378
+3V3 on Top Layer1 "+3V3_L01_P085" (solid, pour order 85): 15.138,17.755 15.113,17.729 10.973,17.729 10.973,18.948 15.367,18.948 15.367,17.755
SP on Top Layer1 "SP_L01_P023" (solid, pour order 23): 70.536,56.236 70.536,57.76 70.51,57.785 70.917,58.191 70.917,59.461 71.095,59.639 75.463,59.639 75.463,57.747 73.952,56.236
SP on Top Layer1 "SP_L01_P051" (solid, remove dead copper, pour order 51): 70.51,52.705 70.51,51.181 70.485,51.156 70.891,50.749 70.891,49.479 71.069,49.301 75.438,49.301 75.438,51.194 73.927,52.705
NetC91_2 on Top Layer1 "NETC91_2_L01_P024" (solid, pour order 24): 65.278,11.709 65.176,11.811 65.176,14.3 64.948,14.3 64.821,14.427 64.821,16.789 67.462,16.789 67.488,16.764 72.111,16.764 72.111,10.185 68.478,10.185 68.428,10.135 67.183,11.379 65.329,11.379
+1V8 on Top Layer1 "+1V8_L01_P025" (solid, pour order 25): 51.613,9.804 58.928,9.804 58.928,11.3 63.678,11.3 63.678,10.643 64.17,10.15 67.802,10.15 67.802,8.95 66.649,7.798 51.613,7.798
+1V8 on Top Layer1 "+1V8_L01_P073" (solid, pour order 73): 47.32,12.167 47.854,11.633 47.854,10.008 46.05,10.008 45.491,10.566 45.466,10.541 41.707,10.541 41.707,12.167
+3V3 on Top Layer1 "+3V3_L01_P027" (solid, pour order 27): 35.772,66.917 35.775,64.123 37.045,64.123 37.045,60.44 35.626,60.44 35.446,60.62 35.446,63.868 33.921,63.868 33.884,63.83 33.825,63.889 33.825,65.148 32.619,65.148 32.619,66.917
+1V8 on Top Layer1 "+1V8_L01_P067" (solid, pour order 67): 41.707,12.167 47.879,12.167 47.879,10.541 41.707,10.541
no net on Top Layer1 "NONET_L01_P064" (solid, pour order 64): 41.986,12.167 41.986,10.77 45.415,10.77 45.415,12.167
NetC39_2 on Top Layer1 "NETC39_2_L01_P062" (solid, pour order 62): 30.404,16.256 30.404,12.776 32.029,12.776 31.953,12.852 31.953,16.256
NetC32_1 on Top Layer1 "NETC32_1_L01_P059" (solid, pour order 59): 18.049,12.754 18.049,11.408 14.874,11.408 14.874,12.754
NetC32_2 on Top Layer1 "NETC32_2_L01_P057" (solid, pour order 57): 15.001,10.722 18.049,10.722 18.049,9.427 14.899,9.427 14.899,10.722
+3V3 on Top Layer1 "Top Layer1-+3V3" (solid, pour order 56): 32.944,59.479 34.352,59.498 34.352,60.452 37.057,60.479 37.057,63.727 35.787,64.997 35.787,65.886 35.484,65.886 35.484,66.98 32.385,66.98 32.385,64.618 34.112,64.618 34.138,64.867 34.138,64.262 35.521,64.262 35.521,60.969 32.944,60.935
+3V3 on Top Layer1 "+3V3_L01_P055" (solid, pour order 55): 11.292,14.177 7.787,14.177 7.787,12.551 11.495,12.551 13.502,12.551 13.502,12.983 13.451,12.983 13.426,13.008 12.029,13.008 12.029,13.44
+12V on Top Layer1 "+12V_L01_P035" (solid, pour order 35): 57.929,51.57 61.137,51.562 61.137,50.836 58.191,47.89 58.191,46.084 58.366,46.084 59.128,45.322 59.128,45.068 56.182,45.068 55.775,45.474 55.775,51.57
+12V on Top Layer1 "+12V_L01_P036" (solid, pour order 36): 59.969,35.001 59.182,35.789 56.159,35.789 55.423,35.052 55.423,31.471 59.157,31.471 60.02,32.334 60.02,34.95
+12V on Top Layer1 "+12V_L01_P037" (solid, pour order 37): 62.738,14.427 62.662,14.351 58.318,14.351 54.305,18.364 54.305,20.752 62.662,20.752 62.738,20.676
+12V on Top Layer1 "+12V_PolyPour" (solid, pour order 38): 60.81,61.291 70.813,61.291 70.813,76.614 68.662,76.614 68.729,73.767 66.842,70.873 66.777,66.624 61.722,71.679 61.722,74.701 57.274,74.701 57.274,67.796 60.855,64.214
SP_2 on Top Layer1 "SP_2_L01_P053" (solid, pour order 53): 70.904,40.348 74.727,40.348 74.727,37.02 70.904,37.02
SP_2 on Top Layer1 "SP_2_L01_P052" (solid, pour order 52): 70.79,47.034 70.79,43.757 72.171,43.757 72.415,43.808 72.771,44.101 72.771,46.729 74.219,49.066 70.79,49.066
SH1_2 on Top Layer1 "SH1_2_L01_P028" (solid, pour order 28): 70.079,41.91 70.053,41.885 70.053,40.665 72.599,40.668 78.054,40.665 78.054,44.882 75.108,44.882 72.873,42.647 72.873,41.885 70.104,41.885
SH2_2 on Top Layer1 "SH2_2_L01_P029" (solid, pour order 29): 70.129,43.358 72.669,43.713 72.771,46.761 74.27,48.26 77.724,48.26 77.724,45.39 74.808,45.023 73.254,42.215 70.129,42.215
SH1 on Top Layer1 "SH1_L01_P030" (solid, pour order 30): 69.647,54.254 77.089,54.254 77.089,51.613 73.609,51.613 72.085,53.137 69.647,53.137
SH2 on Top Layer1 "SH2_L01_P033" (solid, pour order 33): 69.621,54.686 77.089,54.686 77.089,57.607 73.558,57.607 71.755,55.804 69.621,55.804
EARTH on Layer 1 "EARTH_L02_P032" (solid, pour order 32): 0,71.171 0.127,71.044 9.119,71.044 44.45,71.044 44.45,77.749 71.882,77.749 71.882,71.222 79.934,71.222 79.934,79.604 80.086,79.756 0.127,79.756 0.127,71.679 0,71.552
+3V3 on Layer 1 "+3V3_L02_P088" (solid, pour order 88): 43.84,79.756 43.917,79.68 43.917,70.612 49.708,70.612 50.648,69.672 50.597,69.621 50.597,0.203 0.33,0.203 0,0.533 0.127,0.66 0.127,79.756
+12V on Layer 1 "+12V_L02_P072" (solid, pour order 72): 53.676,79.75 44.528,79.75 44.583,71.481 54.413,71.481 54.413,16.758 57.461,13.71 80.093,13.71 80.093,79.521 79.864,79.75
+1V8 on Layer 1 "+1V8_L02_P071" (solid, pour order 71): 48.4,10.173 47.93,10.643 42.037,10.643 41.91,10.77 41.91,12.116 49.174,12.116 51.486,9.804 58.903,9.804 58.903,11.303 63.678,11.303 63.678,10.643 64.16,10.16 67.869,10.16 67.869,7.849 50.724,7.849
+3V3 on Layer 2 "+3V3_L03_P066" (solid, remove dead copper, pour order 66): 43.84,79.756 43.917,79.68 43.917,70.612 49.708,70.612 50.648,69.672 50.597,69.621 50.597,0.203 0.33,0.203 0,0.533 0.127,0.66 0.127,79.756
+12V on Layer 2 "+12V_L03_P046" (solid, remove dead copper, pour order 46): 53.498,79.75 44.35,79.75 44.405,71.481 53.498,71.481 53.498,17.495 57.283,13.71 79.915,13.71 79.915,79.521 79.686,79.75

## Other copper
Bottom Layer:
  pour cut-out: 29.058,47.346 29.058,42.545 29.159,42.443 43.612,42.443 43.612,47.32 43.536,47.396 29.083,47.396
  pour cut-out: 45.04,58.848 44.983,58.791 44.983,44.348 50.08,44.348 50.08,58.826

## Silkscreen, mask and mechanical layers (free items; w line width, h text height)
Top Overlay:
  lines w0.254: 0,70 0,79.883 80.01,79.883 80.01,0 0.279,0 ; 0.127,20.447 50.8,20.447 50.8,0 ; 35.179,62.992 35.458,62.992 ; 39.186,60.725 39.186,59.697 39.624,59.258 ; 39.294,62.713 39.522,62.713 39.624,62.611 39.624,61.062 ; 39.7,66.269 39.853,66.269 ; 59.385,29.083 61.849,29.083 ; 60.02,34.646 60.02,33.299 60.173,33.147 60.173,31.471 ; 61.874,29.058 63.856,29.058 ; 63.957,29.185 64.11,29.337 ; 64.11,29.464 64.11,30.455
Bottom Overlay:
  lines w0.203: 28.651,7.391 28.677,7.366 30.607,7.366
  lines w0.254: 28.27,38.659 28.296,38.684 28.296,39.141 28.296,39.37 28.473,39.548 34.595,39.548 34.925,39.218 ; 29.083,28.981 29.108,28.956 32.766,28.956 33.376,29.566 34.9,29.566 ; 30.607,7.366 31.013,7.772 34.112,7.772 ; 32.639,3.962 34.646,3.962 34.773,3.835 36.932,3.835 ; 37.592,8.458 39.37,8.458 39.802,8.026 41.224,8.026

## Text inside footprints (layer, text, board x,y; h text height)
D1: Bottom Overlay "A" at 42.977,74.295 h0.89 r90; Bottom Overlay "K" at 43.593,67.11 h0.89 r90
D2: Bottom Overlay "A" at 28.346,51.562 h0.89 r180; Bottom Overlay "K" at 32.436,51.511 h0.89 r180
D3: Top Overlay "K" at 67.183,17.551 h0.89; Top Overlay "A" at 60.131,17.619 h0.89
DS1: Top Overlay "K" at 31.3,62.988 h0.56 r180; Top Overlay "A" at 26.441,61.646 h0.51 r180
DS2: Top Overlay "K" at 31.173,66.417 h0.56 r180; Top Overlay "A" at 26.645,68.174 h0.51 r180
U4: Bottom Overlay "16" at 32.791,59.487 h0.89; Bottom Overlay "9" at 42.672,61.417 h0.89 r90; Bottom Overlay "1" at 31.521,69.19 h0.89 r90
U5: Top Overlay "8" at 5.359,9.881 h0.64; Top Overlay "9" at 13.868,9.881 h0.64; Top Overlay "16" at 13.894,14.554 h0.64; Top Overlay "1" at 5.74,15.062 h0.64